# KiCad board panelized.kicad_pcb
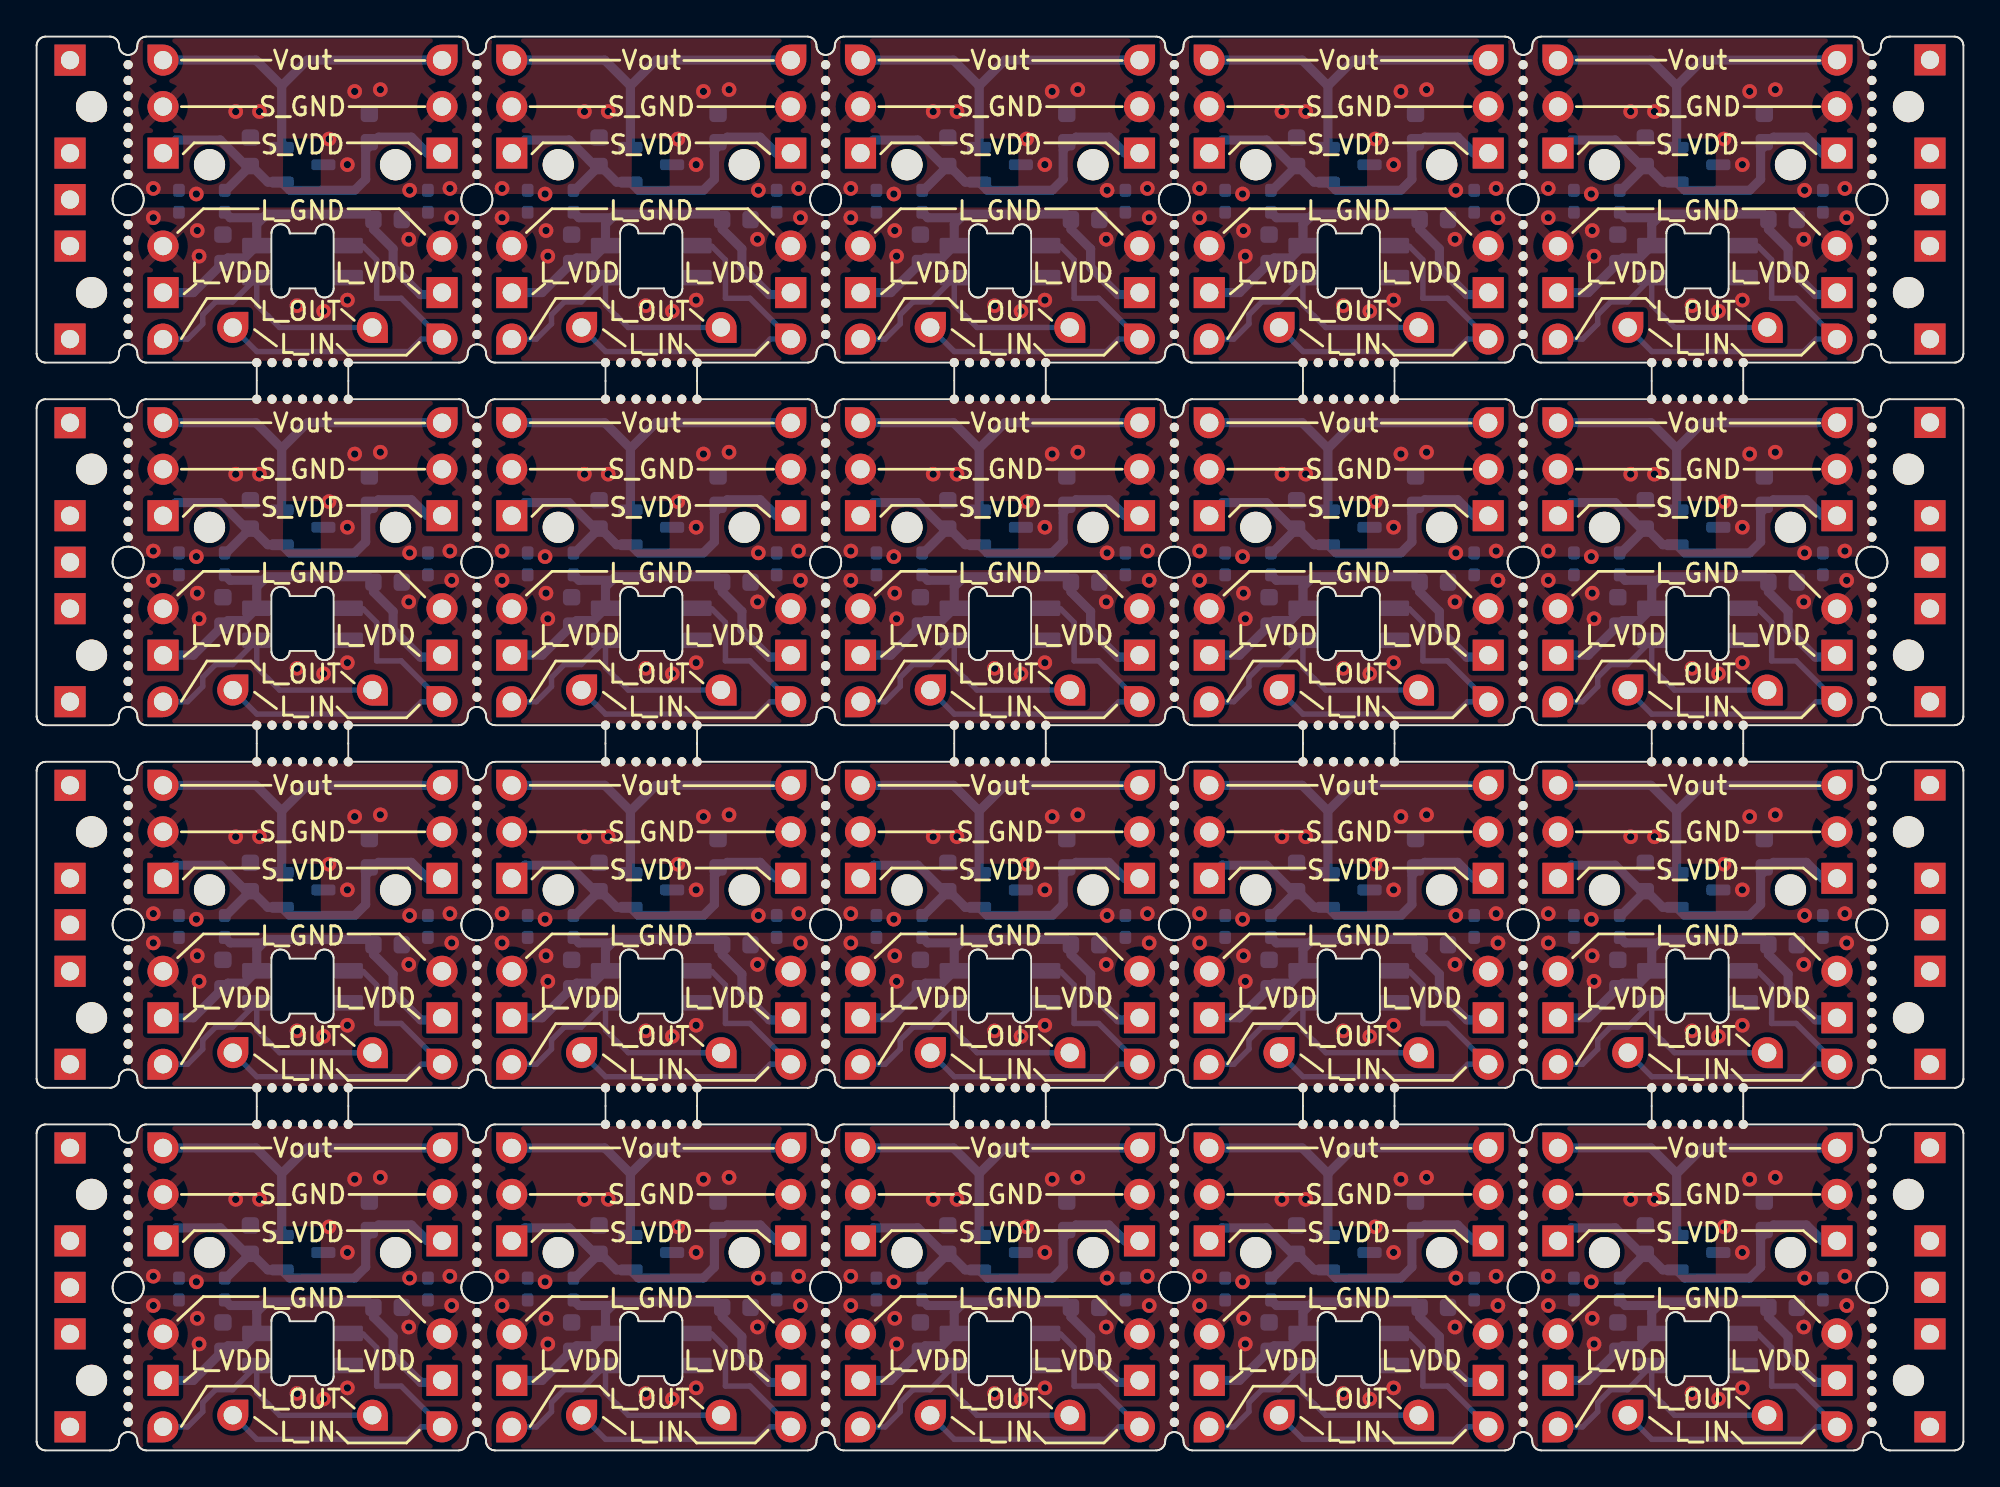
[diagram p0: board, top side]
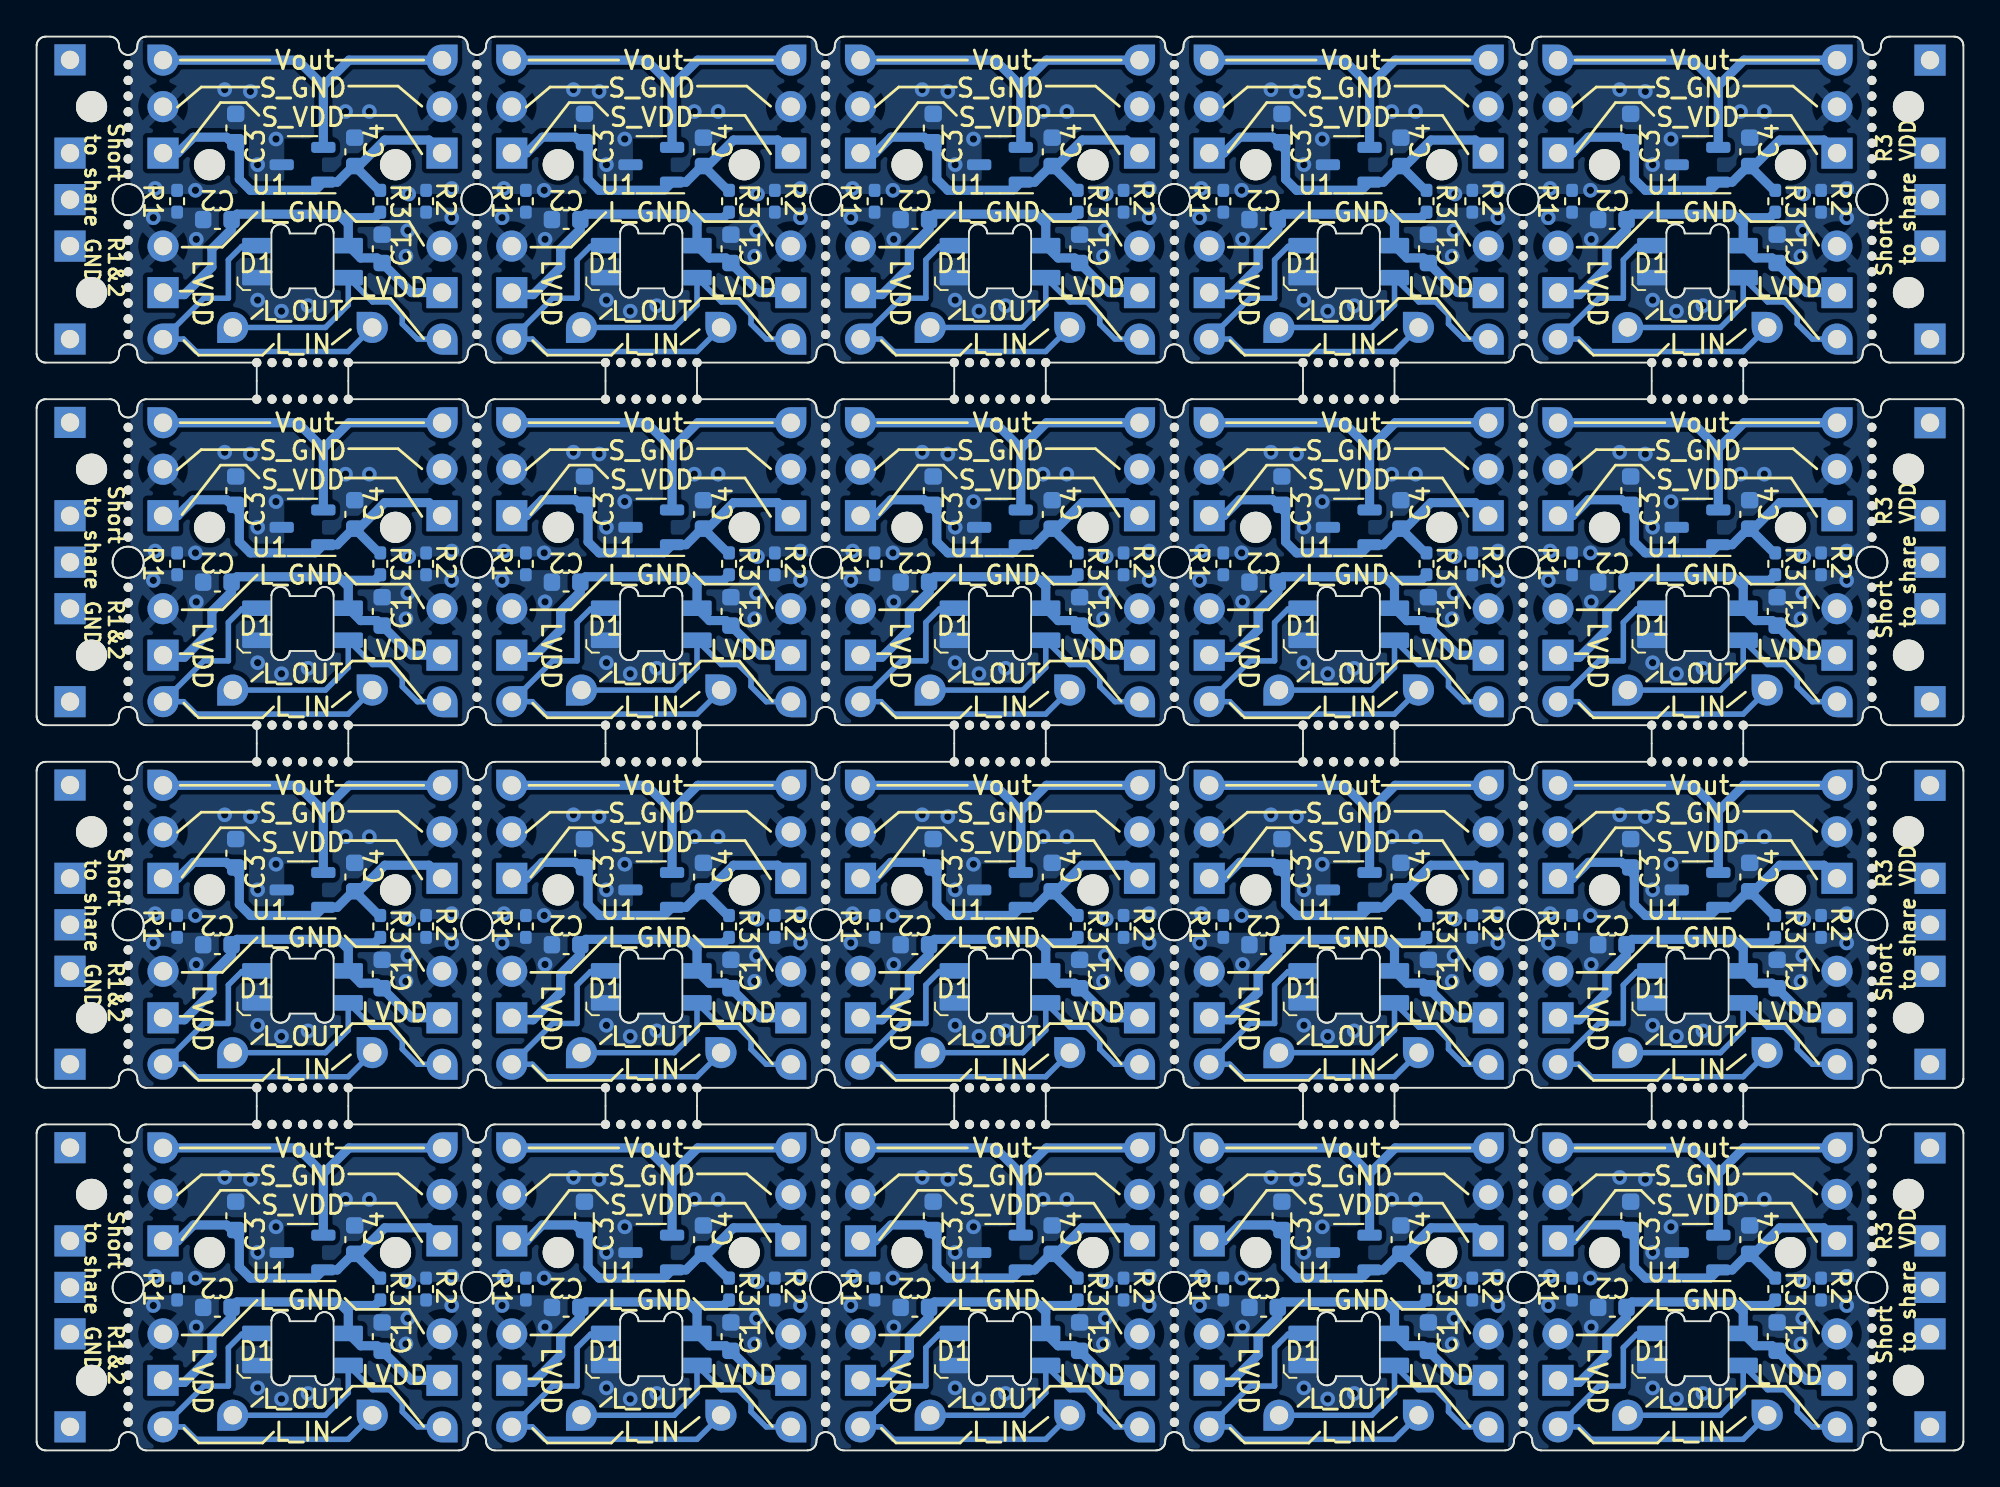
[diagram p1: board, bottom side, seen from below]

Outline 105.25 x 77.24 mm; copper layers: Top, Bottom. Coordinates in mm from the lower left corner of the outline.
Stack: Top 0.035mm / dielectric 1.51mm FR4 er 4.5 / Bottom 0.035mm

## Placement (name value [footprint] x y rotation side)
C1  100n  [C_0603_1608Metric]  48.28 26.02 270 bottom
C1#2  100n  [C_0603_1608Metric]  86.38 65.64 270 bottom
C1#3  100n  [C_0603_1608Metric]  10.17 65.64 270 bottom
C1#4  100n  [C_0603_1608Metric]  10.17 26.02 270 bottom
C1#5  100n  [C_0603_1608Metric]  67.32 65.64 270 bottom
C1#6  100n  [C_0603_1608Metric]  86.38 26.02 270 bottom
C1#7  100n  [C_0603_1608Metric]  29.22 26.02 270 bottom
C1#8  100n  [C_0603_1608Metric]  86.38 6.21 270 bottom
C1#9  100n  [C_0603_1608Metric]  10.17 6.21 270 bottom
C1#10  100n  [C_0603_1608Metric]  29.22 65.64 270 bottom
C1#11  100n  [C_0603_1608Metric]  29.22 6.21 270 bottom
C1#12  100n  [C_0603_1608Metric]  48.28 65.64 270 bottom
C1#13  100n  [C_0603_1608Metric]  29.22 45.83 270 bottom
C1#14  100n  [C_0603_1608Metric]  86.38 45.83 270 bottom
C1#15  100n  [C_0603_1608Metric]  48.28 45.83 270 bottom
C1#16  100n  [C_0603_1608Metric]  67.32 6.21 270 bottom
C1#17  100n  [C_0603_1608Metric]  10.17 45.83 270 bottom
C1#18  100n  [C_0603_1608Metric]  48.28 6.21 270 bottom
C1#19  100n  [C_0603_1608Metric]  67.32 45.83 270 bottom
C1#20  100n  [C_0603_1608Metric]  67.32 26.02 270 bottom
C2  10u  [C_0603_1608Metric]  57.28 67.24 180 bottom
C2#2  10u  [C_0603_1608Metric]  76.32 7.81 180 bottom
C2#3  10u  [C_0603_1608Metric]  95.38 47.43 180 bottom
C2#4  10u  [C_0603_1608Metric]  19.17 67.24 180 bottom
C2#5  10u  [C_0603_1608Metric]  19.17 7.81 180 bottom
C2#6  10u  [C_0603_1608Metric]  57.28 27.62 180 bottom
C2#7  10u  [C_0603_1608Metric]  38.22 47.43 180 bottom
C2#8  10u  [C_0603_1608Metric]  38.22 7.81 180 bottom
C2#9  10u  [C_0603_1608Metric]  95.38 67.24 180 bottom
C2#10  10u  [C_0603_1608Metric]  38.22 67.24 180 bottom
C2#11  10u  [C_0603_1608Metric]  38.22 27.62 180 bottom
C2#12  10u  [C_0603_1608Metric]  76.32 27.62 180 bottom
C2#13  10u  [C_0603_1608Metric]  19.17 27.62 180 bottom
C2#14  10u  [C_0603_1608Metric]  57.28 7.81 180 bottom
C2#15  10u  [C_0603_1608Metric]  57.28 47.43 180 bottom
C2#16  10u  [C_0603_1608Metric]  19.17 47.43 180 bottom
C2#17  10u  [C_0603_1608Metric]  95.38 27.62 180 bottom
C2#18  10u  [C_0603_1608Metric]  76.32 47.43 180 bottom
C2#19  10u  [C_0603_1608Metric]  76.32 67.24 180 bottom
C2#20  10u  [C_0603_1608Metric]  95.38 7.81 180 bottom
C3  10u  [C_0603_1608Metric]  37.22 32.62 270 bottom
C3#2  10u  [C_0603_1608Metric]  18.17 52.43 270 bottom
C3#3  10u  [C_0603_1608Metric]  94.38 32.62 270 bottom
C3#4  10u  [C_0603_1608Metric]  37.22 12.81 270 bottom
C3#5  10u  [C_0603_1608Metric]  56.28 32.62 270 bottom
C3#6  10u  [C_0603_1608Metric]  75.32 12.81 270 bottom
C3#7  10u  [C_0603_1608Metric]  18.17 32.62 270 bottom
C3#8  10u  [C_0603_1608Metric]  94.38 52.43 270 bottom
C3#9  10u  [C_0603_1608Metric]  75.32 52.43 270 bottom
C3#10  10u  [C_0603_1608Metric]  18.17 72.24 270 bottom
C3#11  10u  [C_0603_1608Metric]  75.32 72.24 270 bottom
C3#12  10u  [C_0603_1608Metric]  94.38 72.24 270 bottom
C3#13  10u  [C_0603_1608Metric]  37.22 72.24 270 bottom
C3#14  10u  [C_0603_1608Metric]  37.22 52.43 270 bottom
C3#15  10u  [C_0603_1608Metric]  56.28 52.43 270 bottom
C3#16  10u  [C_0603_1608Metric]  18.17 12.81 270 bottom
C3#17  10u  [C_0603_1608Metric]  56.28 72.24 270 bottom
C3#18  10u  [C_0603_1608Metric]  75.32 32.62 270 bottom
C3#19  10u  [C_0603_1608Metric]  94.38 12.81 270 bottom
C3#20  10u  [C_0603_1608Metric]  56.28 12.81 270 bottom
C4  100n  [C_0603_1608Metric]  87.88 70.94 270 bottom
C4#2  100n  [C_0603_1608Metric]  11.67 51.13 270 bottom
C4#3  100n  [C_0603_1608Metric]  49.78 70.94 270 bottom
C4#4  100n  [C_0603_1608Metric]  68.82 51.13 270 bottom
C4#5  100n  [C_0603_1608Metric]  68.82 11.52 270 bottom
C4#6  100n  [C_0603_1608Metric]  11.67 70.94 270 bottom
C4#7  100n  [C_0603_1608Metric]  68.82 70.94 270 bottom
C4#8  100n  [C_0603_1608Metric]  49.78 31.32 270 bottom
C4#9  100n  [C_0603_1608Metric]  87.88 51.13 270 bottom
C4#10  100n  [C_0603_1608Metric]  87.88 31.32 270 bottom
C4#11  100n  [C_0603_1608Metric]  30.72 51.13 270 bottom
C4#12  100n  [C_0603_1608Metric]  30.72 31.32 270 bottom
C4#13  100n  [C_0603_1608Metric]  30.72 11.52 270 bottom
C4#14  100n  [C_0603_1608Metric]  11.67 11.52 270 bottom
C4#15  100n  [C_0603_1608Metric]  11.67 31.32 270 bottom
C4#16  100n  [C_0603_1608Metric]  30.72 70.94 270 bottom
C4#17  100n  [C_0603_1608Metric]  49.78 11.52 270 bottom
C4#18  100n  [C_0603_1608Metric]  68.82 31.32 270 bottom
C4#19  100n  [C_0603_1608Metric]  87.88 11.52 270 bottom
C4#20  100n  [C_0603_1608Metric]  49.78 51.13 270 bottom
D1  SK6812MINI-E  [SK6812_mini_e_flipable]  71.68 5.52 0 bottom
D1#2  SK6812MINI-E  [SK6812_mini_e_flipable]  90.72 5.52 0 bottom
D1#3  SK6812MINI-E  [SK6812_mini_e_flipable]  33.57 5.52 0 bottom
D1#4  SK6812MINI-E  [SK6812_mini_e_flipable]  90.72 45.14 0 bottom
D1#5  SK6812MINI-E  [SK6812_mini_e_flipable]  33.57 45.14 0 bottom
D1#6  SK6812MINI-E  [SK6812_mini_e_flipable]  14.53 64.95 0 bottom
D1#7  SK6812MINI-E  [SK6812_mini_e_flipable]  90.72 64.95 0 bottom
D1#8  SK6812MINI-E  [SK6812_mini_e_flipable]  52.62 5.52 0 bottom
D1#9  SK6812MINI-E  [SK6812_mini_e_flipable]  14.53 5.52 0 bottom
D1#10  SK6812MINI-E  [SK6812_mini_e_flipable]  52.62 25.33 0 bottom
D1#11  SK6812MINI-E  [SK6812_mini_e_flipable]  14.53 45.14 0 bottom
D1#12  SK6812MINI-E  [SK6812_mini_e_flipable]  33.57 64.95 0 bottom
D1#13  SK6812MINI-E  [SK6812_mini_e_flipable]  52.62 64.95 0 bottom
D1#14  SK6812MINI-E  [SK6812_mini_e_flipable]  71.68 64.95 0 bottom
D1#15  SK6812MINI-E  [SK6812_mini_e_flipable]  52.62 45.14 0 bottom
D1#16  SK6812MINI-E  [SK6812_mini_e_flipable]  71.68 45.14 0 bottom
D1#17  SK6812MINI-E  [SK6812_mini_e_flipable]  90.72 25.33 0 bottom
D1#18  SK6812MINI-E  [SK6812_mini_e_flipable]  14.53 25.33 0 bottom
D1#19  SK6812MINI-E  [SK6812_mini_e_flipable]  33.57 25.33 0 bottom
D1#20  SK6812MINI-E  [SK6812_mini_e_flipable]  71.68 25.33 0 bottom
H1  -  [NPTH#2]  3 13.98 0 top
H1#2  -  [NPTH#2]  3 33.79 0 top
H1#3  -  [NPTH#2]  3 53.6 0 top
H1#4  -  [NPTH#2]  3 73.41 0 top
H2  -  [NPTH#2]  3 3.82 0 top
H2#2  -  [NPTH#2]  3 43.44 0 top
H2#3  -  [NPTH#2]  3 63.25 0 top
H2#4  -  [NPTH#2]  3 23.63 0 top
H3  -  [NPTH#2]  102.25 53.6 0 top
H3#2  -  [NPTH#2]  102.25 73.41 0 top
H3#3  -  [NPTH#2]  102.25 13.98 0 top
H3#4  -  [NPTH#2]  102.25 33.79 0 top
H4  -  [NPTH#2]  102.25 3.82 0 top
H4#2  -  [NPTH#2]  102.25 43.44 0 top
H4#3  -  [NPTH#2]  102.25 63.25 0 top
H4#4  -  [NPTH#2]  102.25 23.63 0 top
J1  Conn_01x01_Pin  [PinHeader_1x01_P2.54mm_Vertical#2]  98.34 23.63 180 bottom
J1#2  Conn_01x01_Pin  [PinHeader_1x01_P2.54mm_Vertical#2]  22.14 23.63 180 bottom
J1#3  Conn_01x01_Pin  [PinHeader_1x01_P2.54mm_Vertical#2]  41.19 43.44 180 bottom
J1#4  Conn_01x01_Pin  [PinHeader_1x01_P2.54mm_Vertical#2]  41.19 3.82 180 bottom
J1#5  Conn_01x01_Pin  [PinHeader_1x01_P2.54mm_Vertical#2]  60.25 3.82 180 bottom
J1#6  Conn_01x01_Pin  [PinHeader_1x01_P2.54mm_Vertical#2]  98.34 43.44 180 bottom
J1#7  Conn_01x01_Pin  [PinHeader_1x01_P2.54mm_Vertical#2]  41.19 63.25 180 bottom
J1#8  Conn_01x01_Pin  [PinHeader_1x01_P2.54mm_Vertical#2]  79.29 3.82 180 bottom
J1#9  Conn_01x01_Pin  [PinHeader_1x01_P2.54mm_Vertical#2]  79.29 63.25 180 bottom
J1#10  Conn_01x01_Pin  [PinHeader_1x01_P2.54mm_Vertical#2]  79.29 43.44 180 bottom
J1#11  Conn_01x01_Pin  [PinHeader_1x01_P2.54mm_Vertical#2]  60.25 63.25 180 bottom
J1#12  Conn_01x01_Pin  [PinHeader_1x01_P2.54mm_Vertical#2]  79.29 23.63 180 bottom
J1#13  Conn_01x01_Pin  [PinHeader_1x01_P2.54mm_Vertical#2]  98.34 63.25 180 bottom
J1#14  Conn_01x01_Pin  [PinHeader_1x01_P2.54mm_Vertical#2]  22.14 63.25 180 bottom
J1#15  Conn_01x01_Pin  [PinHeader_1x01_P2.54mm_Vertical#2]  22.14 43.44 180 bottom
J1#16  Conn_01x01_Pin  [PinHeader_1x01_P2.54mm_Vertical#2]  60.25 23.63 180 bottom
J1#17  Conn_01x01_Pin  [PinHeader_1x01_P2.54mm_Vertical#2]  22.14 3.82 180 bottom
J1#18  Conn_01x01_Pin  [PinHeader_1x01_P2.54mm_Vertical#2]  98.34 3.82 180 bottom
J1#19  Conn_01x01_Pin  [PinHeader_1x01_P2.54mm_Vertical#2]  60.25 43.44 180 bottom
J1#20  Conn_01x01_Pin  [PinHeader_1x01_P2.54mm_Vertical#2]  41.19 23.63 180 bottom
J2  Conn_01x01_Pin  [PinHeader_1x01_P2.54mm_Vertical#2]  83.1 23.63 180 bottom
J2#2  Conn_01x01_Pin  [PinHeader_1x01_P2.54mm_Vertical#2]  6.91 3.82 180 bottom
J2#3  Conn_01x01_Pin  [PinHeader_1x01_P2.54mm_Vertical#2]  25.95 63.25 180 bottom
J2#4  Conn_01x01_Pin  [PinHeader_1x01_P2.54mm_Vertical#2]  45 23.63 180 bottom
J2#5  Conn_01x01_Pin  [PinHeader_1x01_P2.54mm_Vertical#2]  25.95 23.63 180 bottom
J2#6  Conn_01x01_Pin  [PinHeader_1x01_P2.54mm_Vertical#2]  6.91 43.44 180 bottom
J2#7  Conn_01x01_Pin  [PinHeader_1x01_P2.54mm_Vertical#2]  25.95 43.44 180 bottom
J2#8  Conn_01x01_Pin  [PinHeader_1x01_P2.54mm_Vertical#2]  6.91 63.25 180 bottom
J2#9  Conn_01x01_Pin  [PinHeader_1x01_P2.54mm_Vertical#2]  45 3.82 180 bottom
J2#10  Conn_01x01_Pin  [PinHeader_1x01_P2.54mm_Vertical#2]  83.1 63.25 180 bottom
J2#11  Conn_01x01_Pin  [PinHeader_1x01_P2.54mm_Vertical#2]  45 63.25 180 bottom
J2#12  Conn_01x01_Pin  [PinHeader_1x01_P2.54mm_Vertical#2]  64.06 43.44 180 bottom
J2#13  Conn_01x01_Pin  [PinHeader_1x01_P2.54mm_Vertical#2]  64.06 63.25 180 bottom
J2#14  Conn_01x01_Pin  [PinHeader_1x01_P2.54mm_Vertical#2]  83.1 3.82 180 bottom
J2#15  Conn_01x01_Pin  [PinHeader_1x01_P2.54mm_Vertical#2]  25.95 3.82 180 bottom
J2#16  Conn_01x01_Pin  [PinHeader_1x01_P2.54mm_Vertical#2]  64.06 3.82 180 bottom
J2#17  Conn_01x01_Pin  [PinHeader_1x01_P2.54mm_Vertical#2]  83.1 43.44 180 bottom
J2#18  Conn_01x01_Pin  [PinHeader_1x01_P2.54mm_Vertical#2]  64.06 23.63 180 bottom
J2#19  Conn_01x01_Pin  [PinHeader_1x01_P2.54mm_Vertical#2]  45 43.44 180 bottom
J2#20  Conn_01x01_Pin  [PinHeader_1x01_P2.54mm_Vertical#2]  6.91 23.63 180 bottom
J3  Conn_01x01_Pin  [PinHeader_1x01_P2.54mm_Vertical#3]  25.95 73.41 180 bottom
J3#2  Conn_01x01_Pin  [PinHeader_1x01_P2.54mm_Vertical#3]  45 73.41 180 bottom
J3#3  Conn_01x01_Pin  [PinHeader_1x01_P2.54mm_Vertical#3]  6.91 53.6 180 bottom
J3#4  Conn_01x01_Pin  [PinHeader_1x01_P2.54mm_Vertical#3]  83.1 73.41 180 bottom
J3#5  Conn_01x01_Pin  [PinHeader_1x01_P2.54mm_Vertical#3]  45 13.98 180 bottom
J3#6  Conn_01x01_Pin  [PinHeader_1x01_P2.54mm_Vertical#3]  83.1 53.6 180 bottom
J3#7  Conn_01x01_Pin  [PinHeader_1x01_P2.54mm_Vertical#3]  64.06 33.79 180 bottom
J3#8  Conn_01x01_Pin  [PinHeader_1x01_P2.54mm_Vertical#3]  83.1 33.79 180 bottom
J3#9  Conn_01x01_Pin  [PinHeader_1x01_P2.54mm_Vertical#3]  25.95 33.79 180 bottom
J3#10  Conn_01x01_Pin  [PinHeader_1x01_P2.54mm_Vertical#3]  45 53.6 180 bottom
J3#11  Conn_01x01_Pin  [PinHeader_1x01_P2.54mm_Vertical#3]  25.95 13.98 180 bottom
J3#12  Conn_01x01_Pin  [PinHeader_1x01_P2.54mm_Vertical#3]  64.06 53.6 180 bottom
J3#13  Conn_01x01_Pin  [PinHeader_1x01_P2.54mm_Vertical#3]  25.95 53.6 180 bottom
J3#14  Conn_01x01_Pin  [PinHeader_1x01_P2.54mm_Vertical#3]  6.91 73.41 180 bottom
J3#15  Conn_01x01_Pin  [PinHeader_1x01_P2.54mm_Vertical#3]  6.91 13.98 180 bottom
J3#16  Conn_01x01_Pin  [PinHeader_1x01_P2.54mm_Vertical#3]  45 33.79 180 bottom
J3#17  Conn_01x01_Pin  [PinHeader_1x01_P2.54mm_Vertical#3]  64.06 73.41 180 bottom
J3#18  Conn_01x01_Pin  [PinHeader_1x01_P2.54mm_Vertical#3]  83.1 13.98 180 bottom
J3#19  Conn_01x01_Pin  [PinHeader_1x01_P2.54mm_Vertical#3]  64.06 13.98 180 bottom
J3#20  Conn_01x01_Pin  [PinHeader_1x01_P2.54mm_Vertical#3]  6.91 33.79 180 bottom
J4  Conn_01x01_Pin  [PinHeader_1x01_P2.54mm_Vertical#3]  79.29 53.6 180 bottom
J4#2  Conn_01x01_Pin  [PinHeader_1x01_P2.54mm_Vertical#3]  22.14 53.6 180 bottom
J4#3  Conn_01x01_Pin  [PinHeader_1x01_P2.54mm_Vertical#3]  60.25 53.6 180 bottom
J4#4  Conn_01x01_Pin  [PinHeader_1x01_P2.54mm_Vertical#3]  79.29 13.98 180 bottom
J4#5  Conn_01x01_Pin  [PinHeader_1x01_P2.54mm_Vertical#3]  79.29 73.41 180 bottom
J4#6  Conn_01x01_Pin  [PinHeader_1x01_P2.54mm_Vertical#3]  98.34 53.6 180 bottom
J4#7  Conn_01x01_Pin  [PinHeader_1x01_P2.54mm_Vertical#3]  41.19 73.41 180 bottom
J4#8  Conn_01x01_Pin  [PinHeader_1x01_P2.54mm_Vertical#3]  22.14 73.41 180 bottom
J4#9  Conn_01x01_Pin  [PinHeader_1x01_P2.54mm_Vertical#3]  98.34 73.41 180 bottom
J4#10  Conn_01x01_Pin  [PinHeader_1x01_P2.54mm_Vertical#3]  60.25 73.41 180 bottom
J4#11  Conn_01x01_Pin  [PinHeader_1x01_P2.54mm_Vertical#3]  60.25 33.79 180 bottom
J4#12  Conn_01x01_Pin  [PinHeader_1x01_P2.54mm_Vertical#3]  41.19 53.6 180 bottom
J4#13  Conn_01x01_Pin  [PinHeader_1x01_P2.54mm_Vertical#3]  60.25 13.98 180 bottom
J4#14  Conn_01x01_Pin  [PinHeader_1x01_P2.54mm_Vertical#3]  98.34 33.79 180 bottom
J4#15  Conn_01x01_Pin  [PinHeader_1x01_P2.54mm_Vertical#3]  41.19 13.98 180 bottom
J4#16  Conn_01x01_Pin  [PinHeader_1x01_P2.54mm_Vertical#3]  22.14 33.79 180 bottom
J4#17  Conn_01x01_Pin  [PinHeader_1x01_P2.54mm_Vertical#3]  41.19 33.79 180 bottom
J4#18  Conn_01x01_Pin  [PinHeader_1x01_P2.54mm_Vertical#3]  79.29 33.79 180 bottom
J4#19  Conn_01x01_Pin  [PinHeader_1x01_P2.54mm_Vertical#3]  22.14 13.98 180 bottom
J4#20  Conn_01x01_Pin  [PinHeader_1x01_P2.54mm_Vertical#3]  98.34 13.98 180 bottom
J5  Conn_01x01_Pin  [PinHeader_1x01_P2.54mm_Vertical#2]  6.91 51.06 180 bottom
J5#2  Conn_01x01_Pin  [PinHeader_1x01_P2.54mm_Vertical#2]  45 70.88 180 bottom
J5#3  Conn_01x01_Pin  [PinHeader_1x01_P2.54mm_Vertical#2]  6.91 70.88 180 bottom
J5#4  Conn_01x01_Pin  [PinHeader_1x01_P2.54mm_Vertical#2]  83.1 70.88 180 bottom
J5#5  Conn_01x01_Pin  [PinHeader_1x01_P2.54mm_Vertical#2]  83.1 51.06 180 bottom
J5#6  Conn_01x01_Pin  [PinHeader_1x01_P2.54mm_Vertical#2]  64.06 70.88 180 bottom
J5#7  Conn_01x01_Pin  [PinHeader_1x01_P2.54mm_Vertical#2]  25.95 70.88 180 bottom
J5#8  Conn_01x01_Pin  [PinHeader_1x01_P2.54mm_Vertical#2]  45 31.25 180 bottom
J5#9  Conn_01x01_Pin  [PinHeader_1x01_P2.54mm_Vertical#2]  64.06 11.44 180 bottom
J5#10  Conn_01x01_Pin  [PinHeader_1x01_P2.54mm_Vertical#2]  6.91 31.25 180 bottom
J5#11  Conn_01x01_Pin  [PinHeader_1x01_P2.54mm_Vertical#2]  25.95 11.44 180 bottom
J5#12  Conn_01x01_Pin  [PinHeader_1x01_P2.54mm_Vertical#2]  64.06 31.25 180 bottom
J5#13  Conn_01x01_Pin  [PinHeader_1x01_P2.54mm_Vertical#2]  6.91 11.44 180 bottom
J5#14  Conn_01x01_Pin  [PinHeader_1x01_P2.54mm_Vertical#2]  83.1 31.25 180 bottom
J5#15  Conn_01x01_Pin  [PinHeader_1x01_P2.54mm_Vertical#2]  45 11.44 180 bottom
J5#16  Conn_01x01_Pin  [PinHeader_1x01_P2.54mm_Vertical#2]  25.95 31.25 180 bottom
J5#17  Conn_01x01_Pin  [PinHeader_1x01_P2.54mm_Vertical#2]  25.95 51.06 180 bottom
J5#18  Conn_01x01_Pin  [PinHeader_1x01_P2.54mm_Vertical#2]  45 51.06 180 bottom
J5#19  Conn_01x01_Pin  [PinHeader_1x01_P2.54mm_Vertical#2]  64.06 51.06 180 bottom
J5#20  Conn_01x01_Pin  [PinHeader_1x01_P2.54mm_Vertical#2]  83.1 11.44 180 bottom
J6  Conn_01x01_Pin  [PinHeader_1x01_P2.54mm_Vertical#2]  41.19 70.88 180 bottom
J6#2  Conn_01x01_Pin  [PinHeader_1x01_P2.54mm_Vertical#2]  22.14 11.44 180 bottom
J6#3  Conn_01x01_Pin  [PinHeader_1x01_P2.54mm_Vertical#2]  41.19 51.06 180 bottom
J6#4  Conn_01x01_Pin  [PinHeader_1x01_P2.54mm_Vertical#2]  60.25 51.06 180 bottom
J6#5  Conn_01x01_Pin  [PinHeader_1x01_P2.54mm_Vertical#2]  79.29 11.44 180 bottom
J6#6  Conn_01x01_Pin  [PinHeader_1x01_P2.54mm_Vertical#2]  22.14 70.88 180 bottom
J6#7  Conn_01x01_Pin  [PinHeader_1x01_P2.54mm_Vertical#2]  60.25 11.44 180 bottom
J6#8  Conn_01x01_Pin  [PinHeader_1x01_P2.54mm_Vertical#2]  98.34 51.06 180 bottom
J6#9  Conn_01x01_Pin  [PinHeader_1x01_P2.54mm_Vertical#2]  79.29 31.25 180 bottom
J6#10  Conn_01x01_Pin  [PinHeader_1x01_P2.54mm_Vertical#2]  98.34 70.88 180 bottom
J6#11  Conn_01x01_Pin  [PinHeader_1x01_P2.54mm_Vertical#2]  22.14 31.25 180 bottom
J6#12  Conn_01x01_Pin  [PinHeader_1x01_P2.54mm_Vertical#2]  79.29 70.88 180 bottom
J6#13  Conn_01x01_Pin  [PinHeader_1x01_P2.54mm_Vertical#2]  22.14 51.06 180 bottom
J6#14  Conn_01x01_Pin  [PinHeader_1x01_P2.54mm_Vertical#2]  60.25 70.88 180 bottom
J6#15  Conn_01x01_Pin  [PinHeader_1x01_P2.54mm_Vertical#2]  98.34 31.25 180 bottom
J6#16  Conn_01x01_Pin  [PinHeader_1x01_P2.54mm_Vertical#2]  60.25 31.25 180 bottom
J6#17  Conn_01x01_Pin  [PinHeader_1x01_P2.54mm_Vertical#2]  79.29 51.06 180 bottom
J6#18  Conn_01x01_Pin  [PinHeader_1x01_P2.54mm_Vertical#2]  41.19 31.25 180 bottom
J6#19  Conn_01x01_Pin  [PinHeader_1x01_P2.54mm_Vertical#2]  98.34 11.44 180 bottom
J6#20  Conn_01x01_Pin  [PinHeader_1x01_P2.54mm_Vertical#2]  41.19 11.44 180 bottom
J7  Conn_01x01_Pin  [PinHeader_1x01_P2.54mm_Vertical#3]  98.34 45.98 180 bottom
J7#2  Conn_01x01_Pin  [PinHeader_1x01_P2.54mm_Vertical#3]  22.14 45.98 180 bottom
J7#3  Conn_01x01_Pin  [PinHeader_1x01_P2.54mm_Vertical#3]  60.25 65.79 180 bottom
J7#4  Conn_01x01_Pin  [PinHeader_1x01_P2.54mm_Vertical#3]  22.14 65.79 180 bottom
J7#5  Conn_01x01_Pin  [PinHeader_1x01_P2.54mm_Vertical#3]  98.34 26.17 180 bottom
J7#6  Conn_01x01_Pin  [PinHeader_1x01_P2.54mm_Vertical#3]  98.34 6.36 180 bottom
J7#7  Conn_01x01_Pin  [PinHeader_1x01_P2.54mm_Vertical#3]  98.34 65.79 180 bottom
J7#8  Conn_01x01_Pin  [PinHeader_1x01_P2.54mm_Vertical#3]  41.19 6.36 180 bottom
J7#9  Conn_01x01_Pin  [PinHeader_1x01_P2.54mm_Vertical#3]  79.29 26.17 180 bottom
J7#10  Conn_01x01_Pin  [PinHeader_1x01_P2.54mm_Vertical#3]  22.14 26.17 180 bottom
J7#11  Conn_01x01_Pin  [PinHeader_1x01_P2.54mm_Vertical#3]  41.19 45.98 180 bottom
J7#12  Conn_01x01_Pin  [PinHeader_1x01_P2.54mm_Vertical#3]  79.29 6.36 180 bottom
J7#13  Conn_01x01_Pin  [PinHeader_1x01_P2.54mm_Vertical#3]  79.29 45.98 180 bottom
J7#14  Conn_01x01_Pin  [PinHeader_1x01_P2.54mm_Vertical#3]  60.25 45.98 180 bottom
J7#15  Conn_01x01_Pin  [PinHeader_1x01_P2.54mm_Vertical#3]  79.29 65.79 180 bottom
J7#16  Conn_01x01_Pin  [PinHeader_1x01_P2.54mm_Vertical#3]  41.19 65.79 180 bottom
J7#17  Conn_01x01_Pin  [PinHeader_1x01_P2.54mm_Vertical#3]  60.25 26.17 180 bottom
J7#18  Conn_01x01_Pin  [PinHeader_1x01_P2.54mm_Vertical#3]  41.19 26.17 180 bottom
J7#19  Conn_01x01_Pin  [PinHeader_1x01_P2.54mm_Vertical#3]  22.14 6.36 180 bottom
J7#20  Conn_01x01_Pin  [PinHeader_1x01_P2.54mm_Vertical#3]  60.25 6.36 180 bottom
J8  Conn_01x01_Pin  [PinHeader_1x01_P2.54mm_Vertical#3]  25.95 65.79 180 bottom
J8#2  Conn_01x01_Pin  [PinHeader_1x01_P2.54mm_Vertical#3]  64.06 6.36 180 bottom
J8#3  Conn_01x01_Pin  [PinHeader_1x01_P2.54mm_Vertical#3]  83.1 65.79 180 bottom
J8#4  Conn_01x01_Pin  [PinHeader_1x01_P2.54mm_Vertical#3]  64.06 26.17 180 bottom
J8#5  Conn_01x01_Pin  [PinHeader_1x01_P2.54mm_Vertical#3]  6.91 65.79 180 bottom
J8#6  Conn_01x01_Pin  [PinHeader_1x01_P2.54mm_Vertical#3]  6.91 45.98 180 bottom
J8#7  Conn_01x01_Pin  [PinHeader_1x01_P2.54mm_Vertical#3]  83.1 26.17 180 bottom
J8#8  Conn_01x01_Pin  [PinHeader_1x01_P2.54mm_Vertical#3]  64.06 65.79 180 bottom
J8#9  Conn_01x01_Pin  [PinHeader_1x01_P2.54mm_Vertical#3]  45 26.17 180 bottom
J8#10  Conn_01x01_Pin  [PinHeader_1x01_P2.54mm_Vertical#3]  25.95 26.17 180 bottom
J8#11  Conn_01x01_Pin  [PinHeader_1x01_P2.54mm_Vertical#3]  83.1 45.98 180 bottom
J8#12  Conn_01x01_Pin  [PinHeader_1x01_P2.54mm_Vertical#3]  6.91 6.36 180 bottom
J8#13  Conn_01x01_Pin  [PinHeader_1x01_P2.54mm_Vertical#3]  25.95 6.36 180 bottom
J8#14  Conn_01x01_Pin  [PinHeader_1x01_P2.54mm_Vertical#3]  83.1 6.36 180 bottom
J8#15  Conn_01x01_Pin  [PinHeader_1x01_P2.54mm_Vertical#3]  45 45.98 180 bottom
J8#16  Conn_01x01_Pin  [PinHeader_1x01_P2.54mm_Vertical#3]  45 65.79 180 bottom
J8#17  Conn_01x01_Pin  [PinHeader_1x01_P2.54mm_Vertical#3]  6.91 26.17 180 bottom
J8#18  Conn_01x01_Pin  [PinHeader_1x01_P2.54mm_Vertical#3]  45 6.36 180 bottom